# Allegro board BeagleBone_Green_Wireless_V1.0.brd (continued)
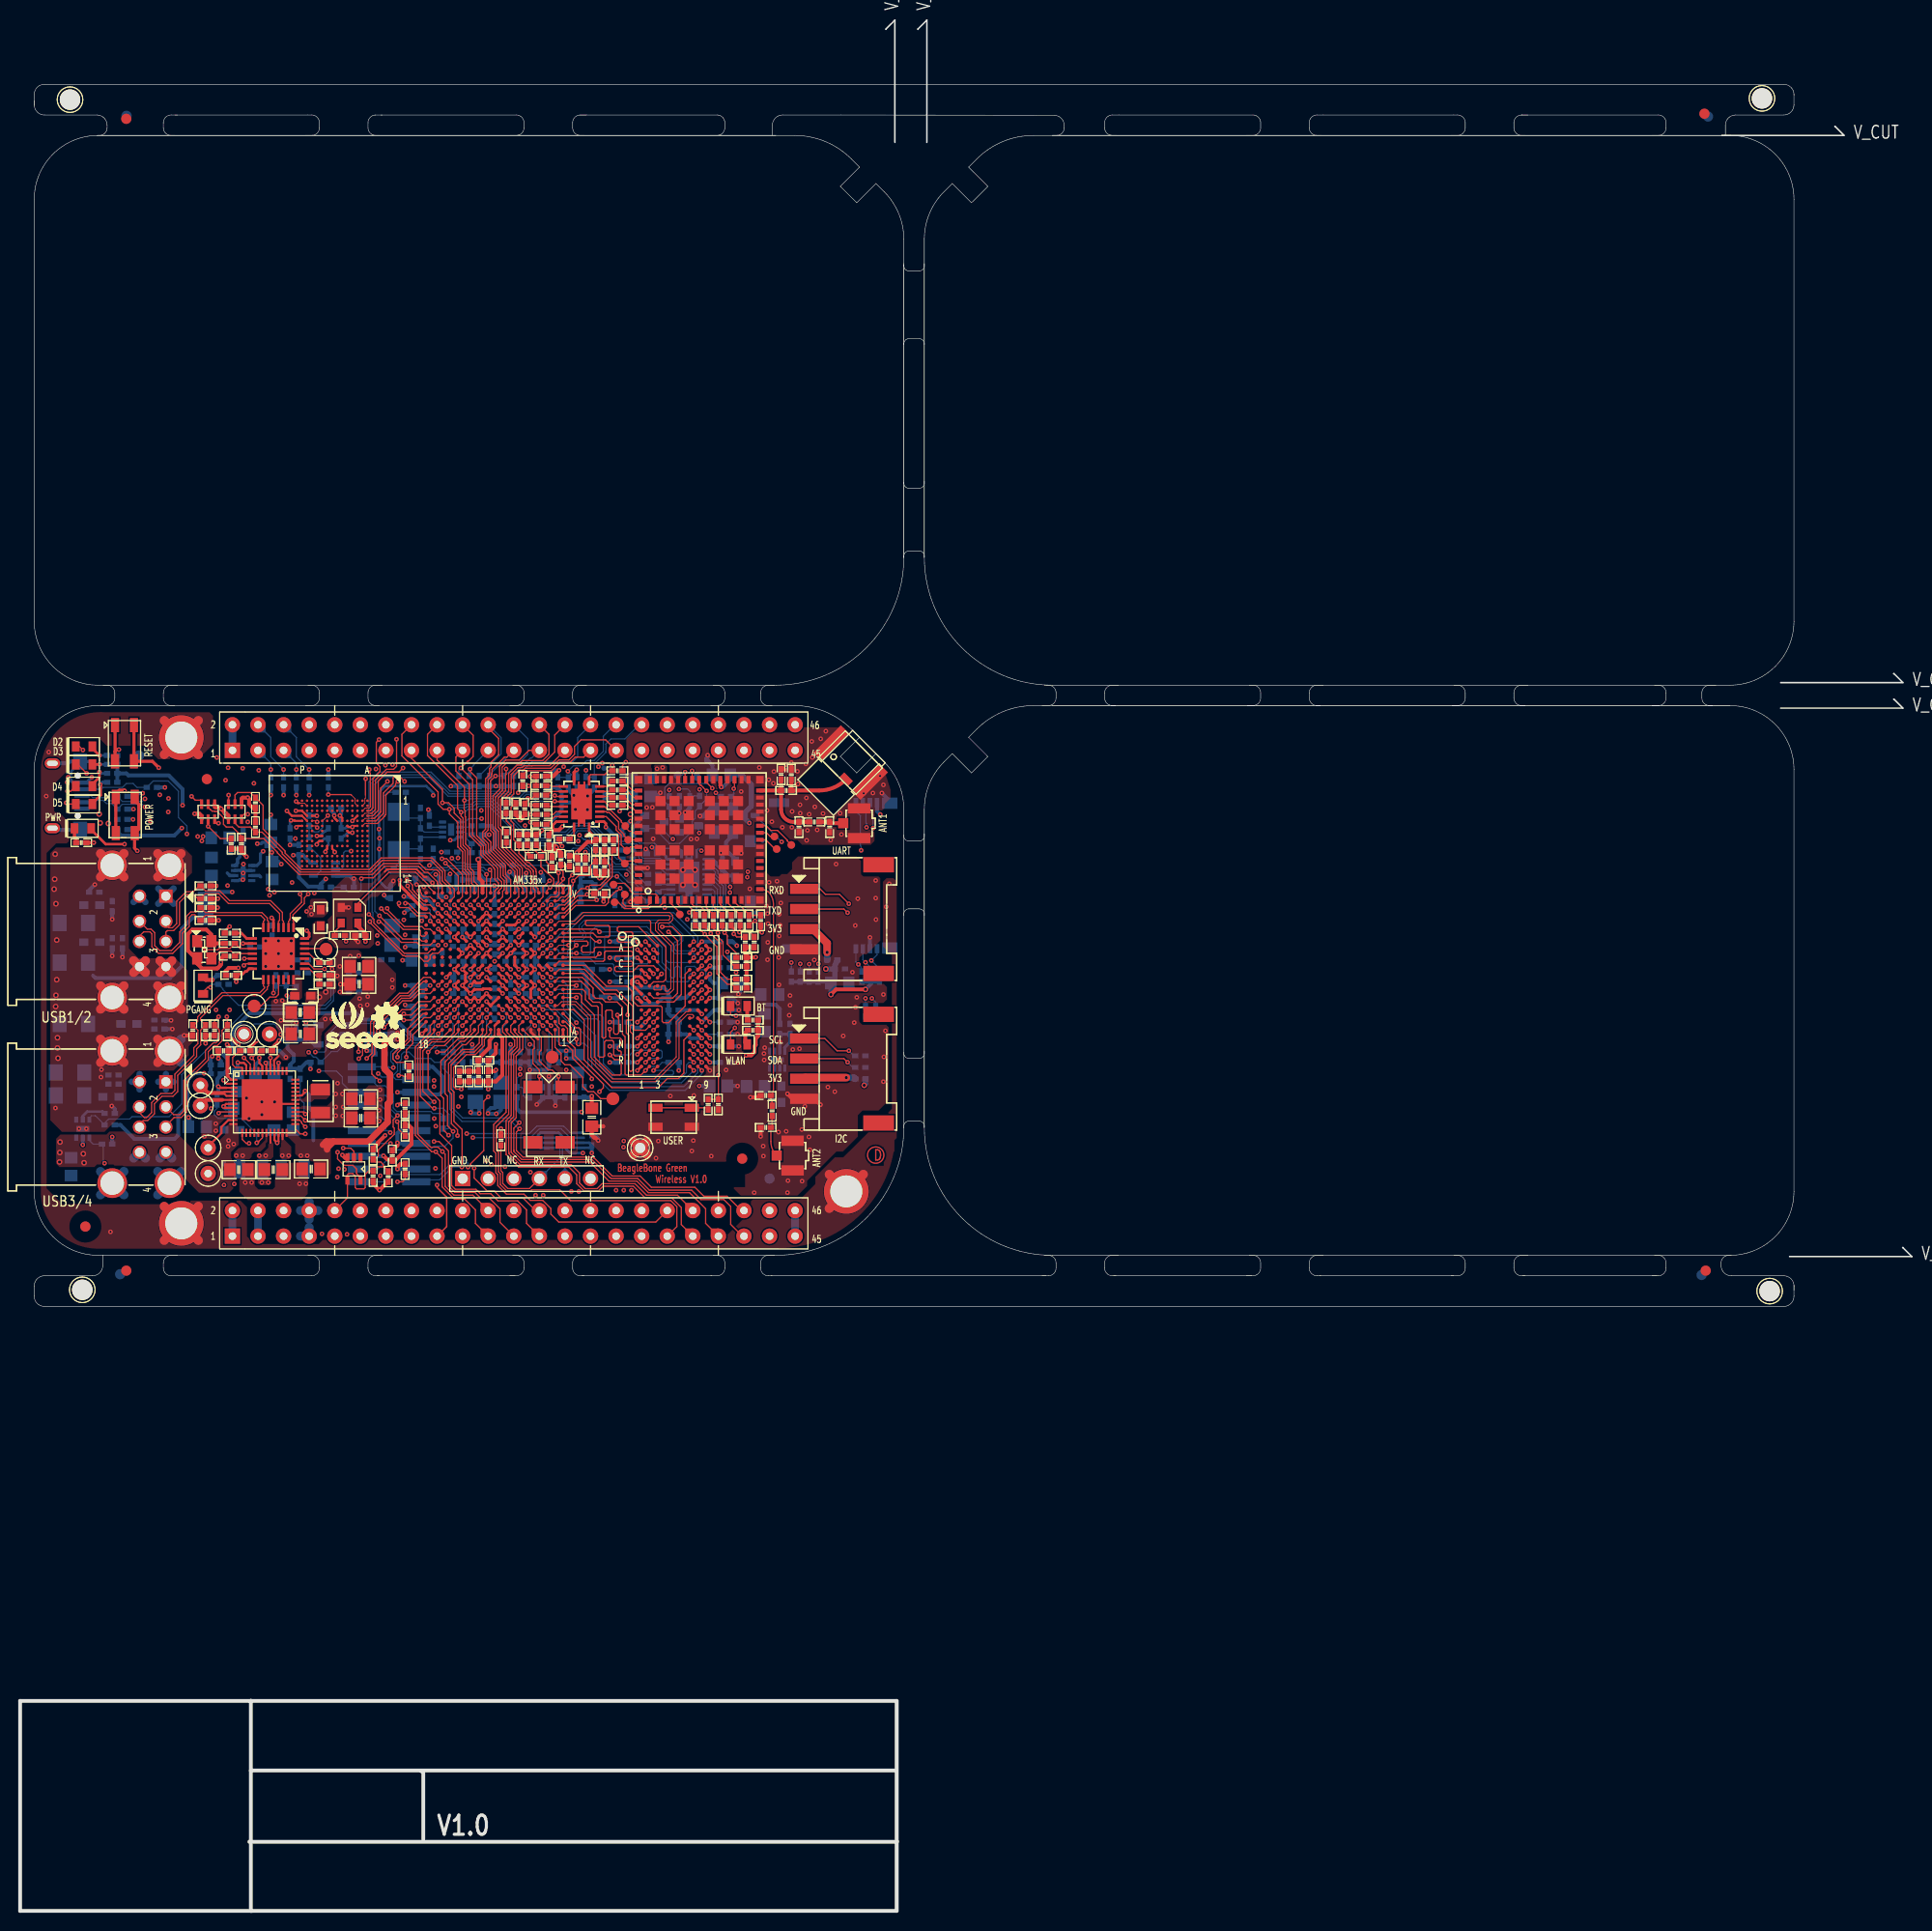
[diagram p0: board, top side]
## Placement (name value [footprint] x y rotation side) (continued)
R180  33R,5%  [402]  68.83 98.4 90 top
R181  33R,5%  [402]  67.06 98.4 90 top
R182  33R,5%  [402]  67.95 98.4 90 top
R183  33R,5%  [402]  59.31 112.24 0 top
R184  33R,5%  [402]  59.31 111.35 0 top
R185  33R,5%  [402]  59.31 110.59 0 top
R186  33R,5%  [402]  59.31 109.83 0 top
R187  33R,5%  [402]  64.47 110.21 90 bottom
R188  33R,5%  [402]  67.46 110.26 90 bottom
R189  100K  [402]  65.48 110.21 270 bottom
R190  100K  [402]  66.5 110.24 270 bottom
R191  10K,1%  [402]  72.9 96.24 90 top
R192  10K,1%  [402]  72.01 96.24 90 top
R193  10K,1%  [402]  71.63 94.72 180 top
R194  10K,1%  [402]  71.63 93.83 180 top
R195  DNP  [402]  71.63 92.56 180 top
R196  10K,1%  [402]  71.63 91.67 180 top
R197  1.5K,1%  [402]  67.31 98.53 270 bottom
R198  33R,5%  [402]  59.31 113.26 180 top
R199  33R,5%  [402]  51.74 110.85 0 top
R200  33R,5%  [402]  51.74 111.79 0 top
R203  33R,5%  [402]  60.32 105.38 0 bottom
R204  33R,5%  [402]  60.32 104.5 0 bottom
R205  33R,5%  [402]  62.87 102.97 0 bottom
R206  33R,5%  [402]  62.87 102.08 0 bottom
R207  33R,5%  [402]  62.87 101.19 0 bottom
R208  33R,5%  [402]  62.87 100.3 0 bottom
R209  1.5K,1%  [402]  50.11 109.47 270 top
R210  1.5K,1%  [402]  51.74 112.73 0 top
R213  DNP  [402]  70.1 110.72 0 bottom
R214  240K,1%  [402]  75.44 87.6 270 bottom
R215  120K  [402]  76.45 87.6 90 bottom
R216  240K,1%  [402]  21.31 105.13 0 bottom
R217  52.3k  [402]  22.15 106.81 90 bottom
R218  680R,1%  [402]  20.83 97.13 180 top
R219  680R,1%  [402]  20.19 92.94 180 bottom
R220  100K,1%  [402]  20.19 92.05 180 bottom
R221  10K,1%  [402]  8.64 76.17 180 bottom
R222  15K,1%  [402]  8.89 79.22 180 bottom
R223  10K,1%  [402]  8.89 78.08 0 bottom
R224  0R,1%  [402]  30.23 94.21 0 top
R225  10K,1%  [402]  30.23 92.05 0 top
R226  DNP  [402]  30.23 92.94 180 top
R227  10K,1%  [402]  27.43 91.29 270 bottom
R228  47k,1%  [402]  26.42 92.43 270 bottom
R229  680R,1%  [402]  72.77 88.49 180 top
R230  680R,1%  [402]  72.77 87.48 180 top
R231  0R,1%  [402]  83.44 82.65 0 bottom
R232  0R,1%  [402]  80.65 94.46 0 bottom
R233  DNP  [402]  73.53 98.4 90 top
R234  0R,1%  [402]  37.62 103.61 180 bottom
R235  0R,1%  [402]  37.8 111.12 0 bottom
R236  33R,5%  [402]  51.77 109.83 0 top
R237  33R,5%  [402]  51.79 108.92 0 top
R238  33R,5%  [402]  51.77 107.95 0 top
R239  33R,5%  [402]  54.05 106.48 0 top
S1  SMD Button Top  [SW_4P]  10.36 116 270 top
S2  SMD Button Top  [SW_4P]  64.9 78.84 180 top
S3  SMD Button Top  [SW_4P]  10.44 108.86 270 top
TP1  TESTPT1  [TP1-8040]  61.57 75.79 0 top
TP2  TESTPT1  [TP60C_SMD]  58.86 80.68 0 top
TP3  TESTPT1  [TP60C_SMD]  52.83 84.81 0 top
TP4  TESTPT1  [TP1-8040]  22.22 87.1 0 top
TP5  TESTPT1  [TP60C33D]  17.91 82.02 0 top
TP6  TESTPT1  [TP60C33D]  17.91 79.98 0 top
TP7  TESTPT1  [TP60C33D]  18.67 75.79 0 top
TP8  TESTPT1  [TP60C33D]  18.67 73.25 0 top
TP9  TESTPT1  [TP60C33D]  24.76 87.1 0 top
TP10  BT_AUD_IN  [TP30C_SMD]  60.1 107.77 0 top
TP11  BT_AUD_OUT  [TP30C_SMD]  60.38 106.4 0 top
TP12  BT_AUD_FSYNC  [TP30C_SMD]  60.25 105.33 0 top
TP13  BT_AUD_CLK  [TP30C_SMD]  60.05 104.04 0 top
TP14  WL_TX  [TP30C_SMD]  76.58 105.89 0 top
TP15  WL_RX  [TP30C_SMD]  74.9 106.73 0 top
TP16  GPIO_4  [TP30C_SMD]  75.13 105.49 0 top
TP17  GPIO11  [TP30C_SMD]  60.05 100.97 0 top
TP18  GPIO9  [TP30C_SMD]  58.93 101.96 0 top
TP19  GPIO10  [TP30C_SMD]  59.03 100.2 0 top
TP20  GPIO12  [TP30C_SMD]  65.51 98.98 0 top
TP22  BT_UART_DBG  [TP30C_SMD]  65.28 112.83 180 bottom
TP23  WL_UART_DBG  [TP30C_SMD]  67.23 112.62 180 bottom
TP24  HUB_SDA  [TP60C_SMD]  30.38 95.53 0 top
TP25  HUB_SCL  [TP60C_SMD]  23.24 89.89 0 top
U2  TPS65217C  [U_48_RSL]  24.26 80.37 0 top
U3  SN74LVC1G06DCK  [DCK5_2P15X1P4]  30.23 103.48 270 bottom
U5  AM3358BZCZ100  [AM33XX_15X15]  47.12 94.34 180 top
U7  24LC32A  [SOT23-5]  30.92 87.03 270 bottom
U12  MT41K256M16TW-107:P  [BGA96_T9_P8_9X14]  64.9 89.89 0 top
U13  MEM_MNAND_4GB  [BGA153_P14_P5_11P5X13]  31.24 107.04 270 top
U15  SN74LVC2G241  [U_8_DCU]  53.98 76.56 90 bottom
U16  SN74LVC1G07DCK  [DCK5_2P15X1P4]  33.15 73.71 180 top
U17  SSDCI3128AF,DNP  [TDFN8_P5_2P0]  42.8 107.42 90 bottom
U18  WL1835MODGB  [E-13_4X13_3-N100_0_75-TOP]  67.44 106.4 0 top
U19  ETA3410  [DFN2X2-8L]  75.18 84.56 0 bottom
U20  ETA3410  [DFN2X2-8L]  22.15 103.1 90 bottom
U21  TXS0108E  [VQFN-20]  55.75 109.96 90 top
U22  TXS0108E  [VQFN-20]  66.42 102.72 270 bottom
U23  GL852G-QFN28  [QFN-28]  25.65 95.1 270 top
U24  ETA6020D  [DFN2X2-6L]  6.22 77.7 270 bottom
Y1  32.768KHz MC-306  [XTAL4_126-216SMD]  52.51 79.1 270 top
Y2  24MHz  [XTAL150SMD_125X196]  37.59 107.29 270 bottom
Y4  24.576MHZ  [OSC4_61X65LS_79X98SMD]  32.72 98.91 180 top
Y5  12MHz  [OSC4-SMD-2_5X2_0X0_55MM]  18.29 95.48 270 top

## Library data of the parts
ANT = ACA-2012-A1-CC-S
C1 C2 C4 C7-C15 C39 C40 C55 C62 C77 C95 C96 C118 C122 C126 C153 C168-C170 C177-C180 = CAP_10uF_Y5V_10V_10%_0805
C3 C28-C31 C33 C36-C38 C41-C54 C56-C61 C63-C76 C78-C88 C92-C94 C97-C103 C105 C107-C117 C119-C121 C124 C127-C130 C152 C154 C155 C158 C159 C167 C171-C176 C181-C200 C202-C205 = CAP_0.1uF_X5R_6.3V_20% 0201
C16 C18 C125 = CAP_2.2uF_X5R_6.3V_10%_0402
C21 C22 C25 C26 = CAP_18PF_COG_50V_5%_0402
C24 C89-C91 C104 C106 = CAP_1.0UF_X5R_10V_10%_0402
C32 C123 = CAP_0.001_X7R_50V_5%_0402
D1-D8 = LED_LTST-C150GKT_0
D9-D24 = DIODE TVS BI-DIR
FB1-FB3 FB8 = FER_180_200_0
J1 = HEADER 6: User Part Number: ***
J4 J5 = HEADER 4
J6 J7 = Micro RF Coax 3P
J8 J9 = ST-USB-201C
L1-L3 = IND_2.2uH_2.6A_10%_SMD
L4 L7-L22 = INDUCTOR
MTG1 MTG3 MTG4 = MHOLE
OSC1 = Crystal Oscillator
P2 = HDR_10x2_CJTAG_0
P4 = MINI-USB-AB-SOCKET
P8 P9 = HDR_46_F_2_0.1_0.1
P10 = microSD_CONN_8: User Part Number: X; Tolerance: X
Q1 Q2 = RN1907
Q3 Q4 = MOSFET N GSD: User Part Number: *
R1 R55-R70 R75-R95 R165 = RES_100K_1/16W_1%_0402
R3 R4 R168 = RES_1.5K_1/16W_5%_0402
R5-R9 R23-R26 R50 R51 R159-R164 R169 R170 = RES_4.75K_1/16W_1%_0402
R12 R71-R74 R171-R175 = RES_470_1/10W_5%_0402
R14 = RES_10K_1/16W_1%_0402: signal model: 33OHMRESISTOR1_16W5_0402_SM_735_33
R17 = RES_1M_1/16W_1%_0402: signal model: 33OHMRESISTOR1_16W5_0402_SM_735_33
R18 R47 = RES_33_0402: signal model: 33OHMRESISTOR1_16W5_0402_SM_735_33
R19 R27 R29 R30 R156 R234 R235 = RES_0_1/16W_1%_0402
R20 = RES_0_1/16W_1%_0402: signal model: 33OHMRESISTOR1_16W5_0402_SM_735_33
R22 = RES_4.7K_0402
R45 R46 R48 R167 = RES_33_0402
R49 = RES_100K_1/16W_1%_0402: signal model: 33OHMRESISTOR1_16W5_0402_SM_735_33
R54 R96-R111 R150-R155 R157 R176-R200 R203-R210 R213-R233 R236-R239 = RES_10K_1/16W_1%_0402
S1 S3 = SW_KT11P2JM_2
S2 = SW_KT11P2JM_1
TP1-TP20 TP22-TP25 = TESTPT1
U2 = PWR_TPS65217_2
U3 = IC_SN74LVC1G06DCK_0
U5 = IC_AM335X_ZCZ
U7 = MEM_24LC32_SOT23-5
U12 = MT47H256M8_7
U13 = MEM_MNAND_2GB
U15 = IC_SN74LVC2G241_1
U16 = IC_SN74LVC1G07DCK
U17 = SSDCI3128AF
U18 = WL1835MODGB
U19 U20 = ETA3410_0
U21 U22 = TXS0108E_0
U23 = GL852G-QFN28
U24 = ETA6020D
Y1 = CRYS_32_768KHz_SMD32_1
Y2 = CRYS_24MHz_SCC_0
Y4 = OSC_12MHz_1.3V: Tolerance: TOL*; User Part Number: P/N*
Y5 = CRYSTAL4/SM

## Footprints (pads in the part's own frame, mm; a bottom-side part is the same pattern mirrored in y, then rotated)
4P-SMD-2_0-90D
  rect 1.524x3.048 smd: (-5.4,7.4) (5.4,7.4)
  rect 1.016x2.794 smd: 1(-3,0) 2(-1,0) 3(1,0) 4(3,0)
5P-USB-B
  round 0.61 hole 0.61 unplated: (-2,-0.65) (2,-0.65)
  rect 0.406x1.524 smd: 1(-1.3,-0.25) 2(-0.65,-0.25) 3(0,-0.25) 4(0.65,-0.25) 5(1.3,-0.25)
  rect 1.626x1.397 smd: 6(3.4,-0.427) 7(-3.4,-0.427)
  oval 1.016x1.524 hole 0.508x1.067: 8(-3.22,-3.175) 9(3.22,-3.175)
0402
  rect 0.635x0.508 smd: 1(-0.508,0) 2(0.508,0)
402
  rect 0.635x0.508 smd: 1(-0.508,0) 2(0.508,0)
603
  rect 0.914x0.762 smd: 1(-0.8,0) 2(0.8,0)
805
  rect 1.143x1.27 smd: 1(-0.889,0) 2(0.889,0)
1206
  rect 1.397x1.626 smd: 1(-1.41,0) 2(1.41,0)
2520
  rect 1.143x1.905 smd: 1(-1.143,0) 2(1.143,0)
ACA5036
  rect 0.762x1.219 smd: 1(1.525,0.85)
  rect 3.861x1.168 smd: 2(0,2.725) 3(0,-2.725)
AM33XX_15X15
  round 0.356 smd: A1(-6.8,6.8) A2(-6,6.8) A3(-5.2,6.8) A4(-4.4,6.8) A5(-3.6,6.8) A6(-2.8,6.8) A7(-2,6.8) A8(-1.2,6.8) A9(-0.4,6.8) A10(0.4,6.8) A11(1.2,6.8) A12(2,6.8) A13(2.8,6.8) A14(3.6,6.8) A15(4.4,6.8) A16(5.2,6.8) A17(6,6.8) A18(6.8,6.8) B1(-6.8,6) B2(-6,6) B3(-5.2,6) B4(-4.4,6) B5(-3.6,6) B6(-2.8,6) B7(-2,6) B8(-1.2,6) B9(-0.4,6) B10(0.4,6) B11(1.2,6) B12(2,6) B13(2.8,6) B14(3.6,6) B15(4.4,6) B16(5.2,6) B17(6,6) B18(6.8,6) C1(-6.8,5.2) C2(-6,5.2) C3(-5.2,5.2) C4(-4.4,5.2) C5(-3.6,5.2) C6(-2.8,5.2) C7(-2,5.2) C8(-1.2,5.2) C9(-0.4,5.2) C10(0.4,5.2) C11(1.2,5.2) C12(2,5.2) C13(2.8,5.2) C14(3.6,5.2) C15(4.4,5.2) C16(5.2,5.2) C17(6,5.2) C18(6.8,5.2) D1(-6.8,4.4) D2(-6,4.4) D3(-5.2,4.4) D4(-4.4,4.4) D5(-3.6,4.4) D6(-2.8,4.4) D7(-2,4.4) D8(-1.2,4.4) D9(-0.4,4.4) D10(0.4,4.4) D11(1.2,4.4) D12(2,4.4) D13(2.8,4.4) D14(3.6,4.4) D15(4.4,4.4) D16(5.2,4.4) D17(6,4.4) D18(6.8,4.4) E1(-6.8,3.6) E2(-6,3.6) E3(-5.2,3.6) E4(-4.4,3.6) E5(-3.6,3.6) E6(-2.8,3.6) E7(-2,3.6) E8(-1.2,3.6) E9(-0.4,3.6) E10(0.4,3.6) E11(1.2,3.6) E12(2,3.6) E13(2.8,3.6) E14(3.6,3.6) E15(4.4,3.6) E16(5.2,3.6) E17(6,3.6) E18(6.8,3.6) F1(-6.8,2.8) F2(-6,2.8) F3(-5.2,2.8) F4(-4.4,2.8) F5(-3.6,2.8) F6(-2.8,2.8) F7(-2,2.8) F8(-1.2,2.8) F9(-0.4,2.8) F10(0.4,2.8) F11(1.2,2.8) F12(2,2.8) F13(2.8,2.8) F14(3.6,2.8) F15(4.4,2.8) F16(5.2,2.8) F17(6,2.8) F18(6.8,2.8) G1(-6.8,2) G2(-6,2) G3(-5.2,2) G4(-4.4,2) G5(-3.6,2) G6(-2.8,2) G7(-2,2) G8(-1.2,2) G9(-0.4,2) G10(0.4,2) G11(1.2,2) G12(2,2) G13(2.8,2) G14(3.6,2) G15(4.4,2) G16(5.2,2) G17(6,2) G18(6.8,2) H1(-6.8,1.2) H2(-6,1.2) H3(-5.2,1.2) H4(-4.4,1.2) H5(-3.6,1.2) H6(-2.8,1.2) H7(-2,1.2) H8(-1.2,1.2) H9(-0.4,1.2) H10(0.4,1.2) H11(1.2,1.2) H12(2,1.2) H13(2.8,1.2) H14(3.6,1.2) H15(4.4,1.2) H16(5.2,1.2) H17(6,1.2) H18(6.8,1.2) J1(-6.8,0.4) J2(-6,0.4) J3(-5.2,0.4) J4(-4.4,0.4) J5(-3.6,0.4) J6(-2.8,0.4) J7(-2,0.4) J8(-1.2,0.4) J9(-0.4,0.4) J10(0.4,0.4) J11(1.2,0.4) J12(2,0.4) J13(2.8,0.4) J14(3.6,0.4) J15(4.4,0.4) J16(5.2,0.4) J17(6,0.4) J18(6.8,0.4) K1(-6.8,-0.4) K2(-6,-0.4) K3(-5.2,-0.4) K4(-4.4,-0.4) K5(-3.6,-0.4) K6(-2.8,-0.4) K7(-2,-0.4) K8(-1.2,-0.4) K9(-0.4,-0.4) K10(0.4,-0.4) K11(1.2,-0.4) K12(2,-0.4) K13(2.8,-0.4) K14(3.6,-0.4) K15(4.4,-0.4) K16(5.2,-0.4) K17(6,-0.4) K18(6.8,-0.4) L1(-6.8,-1.2) L2(-6,-1.2) L3(-5.2,-1.2) L4(-4.4,-1.2) L5(-3.6,-1.2) L6(-2.8,-1.2) L7(-2,-1.2) L8(-1.2,-1.2) L9(-0.4,-1.2) L10(0.4,-1.2) L11(1.2,-1.2) L12(2,-1.2) L13(2.8,-1.2) L14(3.6,-1.2) L15(4.4,-1.2) L16(5.2,-1.2) L17(6,-1.2) L18(6.8,-1.2) M1(-6.8,-2) M2(-6,-2) M3(-5.2,-2) M4(-4.4,-2) M5(-3.6,-2) M6(-2.8,-2) M7(-2,-2) M8(-1.2,-2) M9(-0.4,-2) M10(0.4,-2) M11(1.2,-2) M12(2,-2) M13(2.8,-2) M14(3.6,-2) M15(4.4,-2) M16(5.2,-2) M17(6,-2) M18(6.8,-2) N1(-6.8,-2.8) N2(-6,-2.8) N3(-5.2,-2.8) N4(-4.4,-2.8) N5(-3.6,-2.8) N6(-2.8,-2.8) N7(-2,-2.8) N8(-1.2,-2.8) N9(-0.4,-2.8) N10(0.4,-2.8) N11(1.2,-2.8) N12(2,-2.8) N13(2.8,-2.8) N14(3.6,-2.8) N15(4.4,-2.8) N16(5.2,-2.8) N17(6,-2.8) N18(6.8,-2.8) P1(-6.8,-3.6) P2(-6,-3.6) P3(-5.2,-3.6) P4(-4.4,-3.6) P5(-3.6,-3.6) P6(-2.8,-3.6) P7(-2,-3.6) P8(-1.2,-3.6) P9(-0.4,-3.6) P10(0.4,-3.6) P11(1.2,-3.6) P12(2,-3.6) P13(2.8,-3.6) P14(3.6,-3.6) P15(4.4,-3.6) P16(5.2,-3.6) P17(6,-3.6) P18(6.8,-3.6) R1(-6.8,-4.4) R2(-6,-4.4) R3(-5.2,-4.4) R4(-4.4,-4.4) R5(-3.6,-4.4) R6(-2.8,-4.4) R7(-2,-4.4) R8(-1.2,-4.4) R9(-0.4,-4.4) R10(0.4,-4.4) R11(1.2,-4.4) R12(2,-4.4) R13(2.8,-4.4) R14(3.6,-4.4) R15(4.4,-4.4) R16(5.2,-4.4) R17(6,-4.4) R18(6.8,-4.4) T1(-6.8,-5.2) T2(-6,-5.2) T3(-5.2,-5.2) T4(-4.4,-5.2) T5(-3.6,-5.2) T6(-2.8,-5.2) T7(-2,-5.2) T8(-1.2,-5.2) T9(-0.4,-5.2) T10(0.4,-5.2) T11(1.2,-5.2) T12(2,-5.2) T13(2.8,-5.2) T14(3.6,-5.2) T15(4.4,-5.2) T16(5.2,-5.2) T17(6,-5.2) T18(6.8,-5.2) U1(-6.8,-6) U2(-6,-6) U3(-5.2,-6) U4(-4.4,-6) U5(-3.6,-6) U6(-2.8,-6) U7(-2,-6) U8(-1.2,-6) U9(-0.4,-6) U10(0.4,-6) U11(1.2,-6) U12(2,-6) U13(2.8,-6) U14(3.6,-6) U15(4.4,-6) U16(5.2,-6) U17(6,-6) U18(6.8,-6) V1(-6.8,-6.8) V2(-6,-6.8) V3(-5.2,-6.8) V4(-4.4,-6.8) V5(-3.6,-6.8) V6(-2.8,-6.8) V7(-2,-6.8) V8(-1.2,-6.8) V9(-0.4,-6.8) V10(0.4,-6.8) V11(1.2,-6.8) V12(2,-6.8) V13(2.8,-6.8) V14(3.6,-6.8) V15(4.4,-6.8) V16(5.2,-6.8) V17(6,-6.8) V18(6.8,-6.8)
BGA96_T9_P8_9X14
  round 0.356 smd: A1(-3.2,6.001) A2(-2.4,6.001) A3(-1.6,6.001) A7(1.6,6.001) A8(2.4,6.001) A9(3.2,6.001) B1(-3.2,5.201) B2(-2.4,5.201) B3(-1.6,5.201) B7(1.6,5.201) B8(2.4,5.201) B9(3.2,5.201) C1(-3.2,4.401) C2(-2.4,4.401) C3(-1.6,4.401) C7(1.6,4.401) C8(2.4,4.401) C9(3.2,4.401) D1(-3.2,3.6) D2(-2.4,3.6) D3(-1.6,3.6) D7(1.6,3.6) D8(2.4,3.6) D9(3.2,3.6) E1(-3.2,2.8) E2(-2.4,2.8) E3(-1.6,2.8) E7(1.6,2.8) E8(2.4,2.8) E9(3.2,2.8) F1(-3.2,2) F2(-2.4,2) F3(-1.6,2) F7(1.6,2) F8(2.4,2) F9(3.2,2) G1(-3.2,1.2) G2(-2.4,1.2) G3(-1.6,1.2) G7(1.6,1.2) G8(2.4,1.2) G9(3.2,1.2) H1(-3.2,0.4) H2(-2.4,0.4) H3(-1.6,0.4) H7(1.6,0.4) H8(2.4,0.4) H9(3.2,0.4) J1(-3.2,-0.4) J2(-2.4,-0.4) J3(-1.6,-0.4) J7(1.6,-0.4) J8(2.4,-0.4) J9(3.2,-0.4) K1(-3.2,-1.2) K2(-2.4,-1.2) K3(-1.6,-1.2) K7(1.6,-1.2) K8(2.4,-1.2) K9(3.2,-1.2) L1(-3.2,-2) L2(-2.4,-2) L3(-1.6,-2) L7(1.6,-2) L8(2.4,-2) L9(3.2,-2) M1(-3.2,-2.8) M2(-2.4,-2.8) M3(-1.6,-2.8) M7(1.6,-2.8) M8(2.4,-2.8) M9(3.2,-2.8) N1(-3.2,-3.6) N2(-2.4,-3.6) N3(-1.6,-3.6) N7(1.6,-3.6) N8(2.4,-3.6) N9(3.2,-3.6) P1(-3.2,-4.401) P2(-2.4,-4.401) P3(-1.6,-4.401) P7(1.6,-4.401) P8(2.4,-4.401) P9(3.2,-4.401) R1(-3.2,-5.201) R2(-2.4,-5.201) R3(-1.6,-5.201) R7(1.6,-5.201) R8(2.4,-5.201) R9(3.2,-5.201) T1(-3.2,-6.001) T2(-2.4,-6.001) T3(-1.6,-6.001) T7(1.6,-6.001) T8(2.4,-6.001) T9(3.2,-6.001)
BGA153_P14_P5_11P5X13
  round 0.254 smd: A1(-3.25,3.25) A2(-2.75,3.25) A3(-2.25,3.25) A4(-1.75,3.25) A5(-1.25,3.25) A6(-0.75,3.25) A7(-0.25,3.25) A8(0.25,3.25) A9(0.75,3.25) A10(1.25,3.25) A11(1.75,3.25) A12(2.25,3.25) A13(2.75,3.25) A14(3.25,3.25) B1(-3.25,2.75) B2(-2.75,2.75) B3(-2.25,2.75) B4(-1.75,2.75) B5(-1.25,2.75) B6(-0.75,2.75) B7(-0.25,2.75) B8(0.25,2.75) B9(0.75,2.75) B10(1.25,2.75) B11(1.75,2.75) B12(2.25,2.75) B13(2.75,2.75) B14(3.25,2.75) C1(-3.25,2.25) C2(-2.75,2.25) C3(-2.25,2.25) C4(-1.75,2.25) C5(-1.25,2.25) C6(-0.75,2.25) C7(-0.25,2.25) C8(0.25,2.25) C9(0.75,2.25) C10(1.25,2.25) C11(1.75,2.25) C12(2.25,2.25) C13(2.75,2.25) C14(3.25,2.25) D1(-3.25,1.75) D2(-2.75,1.75) D3(-2.25,1.75) D4(-1.75,1.75) D12(2.25,1.75) D13(2.75,1.75) D14(3.25,1.75) E1(-3.25,1.25) E2(-2.75,1.25) E3(-2.25,1.25) E5(-1.25,1.25) E6(-0.75,1.25) E7(-0.25,1.25) E8(0.25,1.25) E9(0.75,1.25) E10(1.25,1.25) E12(2.25,1.25) E13(2.75,1.25) E14(3.25,1.25) F1(-3.25,0.75) F2(-2.75,0.75) F3(-2.25,0.75) F5(-1.25,0.75) F10(1.25,0.75) F12(2.25,0.75) F13(2.75,0.75) F14(3.25,0.75) G1(-3.25,0.25) G2(-2.75,0.25) G3(-2.25,0.25) G5(-1.25,0.25) G10(1.25,0.25) G12(2.25,0.25) G13(2.75,0.25) G14(3.25,0.25) H1(-3.25,-0.25) H2(-2.75,-0.25) H3(-2.25,-0.25) H5(-1.25,-0.25) H10(1.25,-0.25) H12(2.25,-0.25) H13(2.75,-0.25) H14(3.25,-0.25) J1(-3.25,-0.75) J2(-2.75,-0.75) J3(-2.25,-0.75) J5(-1.25,-0.75) J10(1.25,-0.75) J12(2.25,-0.75) J13(2.75,-0.75) J14(3.25,-0.75) K1(-3.25,-1.25) K2(-2.75,-1.25) K3(-2.25,-1.25) K5(-1.25,-1.25) K6(-0.75,-1.25) K7(-0.25,-1.25) K8(0.25,-1.25) K9(0.75,-1.25) K10(1.25,-1.25) K12(2.25,-1.25) K13(2.75,-1.25) K14(3.25,-1.25) L1(-3.25,-1.75) L2(-2.75,-1.75) L3(-2.25,-1.75) L12(2.25,-1.75) L13(2.75,-1.75) L14(3.25,-1.75) M1(-3.25,-2.25) M2(-2.75,-2.25) M3(-2.25,-2.25) M4(-1.75,-2.25) M5(-1.25,-2.25) M6(-0.75,-2.25) M7(-0.25,-2.25) M8(0.25,-2.25) M9(0.75,-2.25) M10(1.25,-2.25) M11(1.75,-2.25) M12(2.25,-2.25) M13(2.75,-2.25) M14(3.25,-2.25) N1(-3.25,-2.75) N2(-2.75,-2.75) N3(-2.25,-2.75) N4(-1.75,-2.75) N5(-1.25,-2.75) N6(-0.75,-2.75) N7(-0.25,-2.75) N8(0.25,-2.75) N9(0.75,-2.75) N10(1.25,-2.75) N11(1.75,-2.75) N12(2.25,-2.75) N13(2.75,-2.75) N14(3.25,-2.75) P1(-3.25,-3.25) P2(-2.75,-3.25) P3(-2.25,-3.25) P4(-1.75,-3.25) P5(-1.25,-3.25) P6(-0.75,-3.25) P7(-0.25,-3.25) P8(0.25,-3.25) P9(0.75,-3.25) P10(1.25,-3.25) P11(1.75,-3.25) P12(2.25,-3.25) P13(2.75,-3.25) P14(3.25,-3.25)
DCK5_2P15X1P4
  rect 0.4x0.9 smd: 1(-0.65,-1.1) 2(0,-1.1) 3(0.65,-1.1) 4(0.65,1.1) 5(-0.65,1.1)
DFN2X2-6L
  rect 0.61x0.406 smd: 1(-0.9,0.65) 2(-0.9,0) 3(-0.9,-0.65) 4(0.9,-0.65) 5(0.9,0) 6(0.9,0.65)
  rect 0.61x1.27 smd: 7(0,0)
DFN2X2-8L
  rect 0.305x0.711 smd: 1(-0.75,-0.85) 2(-0.25,-0.85) 3(0.25,-0.85) 4(0.75,-0.85) 5(0.75,0.85) 6(0.25,0.85) 7(-0.25,0.85) 8(-0.75,0.85)
  rect 1.321x0.508 smd: 9(0,0)
E-13_4X13_3-N100_0_75-TOP
  rect 0.75x0.75 smd: 1(-6.025,-5.975) 17(6.025,-5.975) 33(6.025,5.975) 49(-6.025,5.975)
  rect 0.4x0.75 smd: 2(-4.9,-5.975) 3(-4.2,-5.975) 4(-3.5,-5.975) 5(-2.8,-5.975) 6(-2.1,-5.975) 7(-1.4,-5.975) 8(-0.7,-5.975) 9(0,-5.975) 10(0.7,-5.975) 11(1.4,-5.975) 12(2.1,-5.975) 13(2.8,-5.975) 14(3.5,-5.975) 15(4.2,-5.975) 16(4.9,-5.975) 34(4.9,5.975) 35(4.2,5.975) 36(3.5,5.975) 37(2.8,5.975) 38(2.1,5.975) 39(1.4,5.975) 40(0.7,5.975) 41(0,5.975) 42(-0.7,5.975) 43(-1.4,5.975) 44(-2.1,5.975) 45(-2.8,5.975) 46(-3.5,5.975) 47(-4.2,5.975) 48(-4.9,5.975)
  rect 0.75x0.4 smd: 18(6.025,-4.9) 19(6.025,-4.2) 20(6.025,-3.5) 21(6.025,-2.8) 22(6.025,-2.1) 23(6.025,-1.4) 24(6.025,-0.7) 25(6.025,0) 26(6.025,0.7) 27(6.025,1.4) 28(6.025,2.1) 29(6.025,2.8) 30(6.025,3.5) 31(6.025,4.2) 32(6.025,4.9) 50(-6.025,4.9) 51(-6.025,4.2) 52(-6.025,3.5) 53(-6.025,2.8) 54(-6.025,2.1) 55(-6.025,1.4) 56(-6.025,0.7) 57(-6.025,0) 58(-6.025,-0.7) 59(-6.025,-1.4) 60(-6.025,-2.1) 61(-6.025,-2.8) 62(-6.025,-3.5) 63(-6.025,-4.2) 64(-6.025,-4.9)
  rect 1x1 smd: G1(-3.85,-3.85) G2(-2.45,-3.85) G3(-1.05,-3.85) G4(-3.85,-2.45) G5(-2.45,-2.45) G6(-1.05,-2.45) G7(-3.85,-1.05) G8(-2.45,-1.05) G9(-1.05,-1.05) G10(1.05,-3.85) G11(2.45,-3.85) G12(3.85,-3.85) G13(1.05,-2.45) G14(2.45,-2.45) G15(3.85,-2.45) G16(1.05,-1.05) G17(2.45,-1.05) G18(3.85,-1.05) G19(-3.85,1.05) G20(-2.45,1.05) G21(-1.05,1.05) G22(-3.85,2.45) G23(-2.45,2.45) G24(-1.05,2.45) G25(-3.85,3.85) G26(-2.45,3.85) G27(-1.05,3.85) G28(1.05,1.05) G29(2.45,1.05) G30(3.85,1.05) G31(1.05,2.45) G32(2.45,2.45) G33(3.85,2.45) G34(1.05,3.85) G35(2.45,3.85) G36(3.85,3.85)
HEADER10X2_SMD
  rect 0.711x2.794 smd: 1(-5.715,-2.705) 2(-5.715,2.705) 3(-4.445,-2.705) 4(-4.445,2.705) 5(-3.175,-2.705) 6(-3.175,2.705) 7(-1.905,-2.705) 8(-1.905,2.705) 9(-0.635,-2.705) 10(-0.635,2.705) 11(0.635,-2.705) 12(0.635,2.705) 13(1.905,-2.705) 14(1.905,2.705) 15(3.175,-2.705) 16(3.175,2.705) 17(4.445,-2.705) 18(4.445,2.705) 19(5.715,-2.705) 20(5.715,2.705)
HEADER23X2
  rect 1.524x1.524 hole 0.762: 1(0,0)
  round 1.524 hole 0.762: 2(0,2.54) 3(2.54,0) 4(2.54,2.54) 5(5.08,0) 6(5.08,2.54) 7(7.62,0) 8(7.62,2.54) 9(10.16,0) 10(10.16,2.54) 11(12.7,0) 12(12.7,2.54) 13(15.24,0) 14(15.24,2.54) 15(17.78,0) 16(17.78,2.54) 17(20.32,0) 18(20.32,2.54) 19(22.86,0) 20(22.86,2.54) 21(25.4,0) 22(25.4,2.54) 23(27.94,0) 24(27.94,2.54) 25(30.48,0) 26(30.48,2.54) 27(33.02,0) 28(33.02,2.54) 29(35.56,0) 30(35.56,2.54) 31(38.1,0) 32(38.1,2.54) 33(40.64,0) 34(40.64,2.54) 35(43.18,0) 36(43.18,2.54) 37(45.72,0) 38(45.72,2.54) 39(48.26,0) 40(48.26,2.54) 41(50.8,0) 42(50.8,2.54) 43(53.34,0) 44(53.34,2.54) 45(55.88,0) 46(55.88,2.54)
LED_0603
  rect 0.762x1.016 smd: 1(-0.826,0) 2(0.826,0)
MTGH200C125D_PL
  round 4.445 hole 3.175: 1(0,0)
OSC4-SMD-2_5X2_0X0_55MM
  rect 1.219x1.016 smd: 1(-0.85,-0.7) 2(0.85,-0.7) 3(0.85,0.7) 4(-0.85,0.7)
OSC4_61X65LS_79X98SMD
  rect 0.711x0.889 smd: 1(-0.826,-0.775) 2(0.826,-0.775) 3(0.826,0.775) 4(-0.826,0.775)
QFN-28
  rect 0.914x0.254 smd: 1(-2.591,1.5) 2(-2.591,1) 3(-2.591,0.5) 4(-2.591,0) 5(-2.591,-0.5) 6(-2.591,-1) 7(-2.591,-1.5) 15(2.591,-1.5) 16(2.591,-1) 17(2.591,-0.5) 18(2.591,0) 19(2.591,0.5) 20(2.591,1) 21(2.591,1.5)
  rect 0.254x0.914 smd: 8(-1.5,-2.591) 9(-1,-2.591) 10(-0.5,-2.591) 11(0,-2.591) 12(0.5,-2.591) 13(1,-2.591) 14(1.5,-2.591) 22(1.5,2.591) 23(1,2.591) 24(0.5,2.591) 25(0,2.591) 26(-0.5,2.591) 27(-1,2.591) 28(-1.5,2.591)
  rect 3.251x3.251 smd: 29(0,0)
SD-MICRO-SCHA5B0300
  rect 0.914x0.457 smd: 1(-7.257,0) 2(-7.257,-0.7) 3(-7.257,-1.4) 4(-7.257,-2.1) 5(7.257,-2.1) 6(7.257,-1.4) 7(7.257,-0.7) 8(7.257,0)
  rect 0.508x0.889 smd: 9(3.775,9.989) 10(-5.975,9.989)
  rect 0.889x2.007 smd: 11(-7.25,7.635) 12(7.25,6.335)
  rect 1.118x1.524 smd: 13(-7.196,-3.365) 14(7.196,-3.365)
  rect 1.194x1.092 smd: 15(-3.425,10.488) 16(2.575,10.488)
SIP6
  rect 1.524x1.524 hole 1.016: 1(0,0)
  round 1.524 hole 1.016: 2(0,-2.54) 3(0,-5.08) 4(0,-7.62) 5(0,-10.16) 6(0,-12.7)
SM-7351-IND-0805
  rect 1.397x1.549 smd: 1(-0.95,0) 2(0.95,0)
SMINI6-F3-B
  rect 0.305x0.95 smd: 1(0.65,0.75) 2(0,0.75) 3(-0.65,0.75) 4(-0.65,-0.75) 5(0,-0.75) 6(0.65,-0.75)
SOT23-5
  rect 0.635x1.016 smd: 1(-0.953,-1.295) 2(0,-1.295) 3(0.953,-1.295) 4(0.953,1.295) 5(-0.953,1.295)
SOT-323-3
  rect 0.7x0.9 smd: 1(-0.65,-0.95) 2(0.65,-0.95) 3(0,0.95)
ST-USB-201C
  rect 1.321x1.321 hole 0.914: A1(3.5,-5.33)
  round 1.321 hole 0.914: A2(1,-5.33) A3(-1,-5.33) A4(-3.5,-5.33) B1(3.5,-2.71) B2(1,-2.71) B3(-1,-2.71) B4(-3.5,-2.71)
  round 2.946 hole 2.337: S1(6.57,-5.68) S2(-6.57,-5.68) S3(-6.57,0) S4(6.57,0)
SW_4P
  rect 1.422x0.813 smd: 1(-1.8,-0.94) 2(-1.8,0.94) 3(1.8,-0.94) 4(1.8,0.94)
TDFN8_P5_2P0
  rect 1.219x0.61 smd: (0,0)
  rect 0.305x0.711 smd: 1(-0.75,-0.85) 2(-0.25,-0.85) 3(0.25,-0.85) 4(0.75,-0.85) 5(0.75,0.85) 6(0.25,0.85) 7(-0.25,0.85) 8(-0.75,0.85)
TP1-8040
  round 1.524 hole 1.016: 1(0,0)
TP30C_SMD
  round 0.762 smd: 1(0,0)
TP60C33D
  round 1.524 hole 0.762: 1(0,0)
TP60C_SMD
  round 1.27 smd: 1(0,0)
U-FL3P-SMD-2_6X2_6X1_0MM
  rect 1.016x1.016 smd: 1(1.575,0)
  rect 2.235x1.016 smd: 2(0,1.475) 3(0,-1.475)
U_8_DCU
  rect 0.254x1.27 smd: 1(-0.749,-1.473) 2(-0.249,-1.473) 3(0.249,-1.473) 4(0.749,-1.473) 5(0.749,1.473) 6(0.249,1.473) 7(-0.249,1.473) 8(-0.749,1.473)
U_48_RSL
  rect 0.8x0.2 smd: 1(-3.075,2.2) 2(-3.075,1.8) 3(-3.075,1.4) 4(-3.075,1) 5(-3.075,0.6) 6(-3.075,0.2) 7(-3.075,-0.2) 8(-3.075,-0.6) 9(-3.075,-1) 10(-3.075,-1.4) 11(-3.075,-1.8) 12(-3.075,-2.2) 25(3.075,-2.2) 26(3.075,-1.8) 27(3.075,-1.4) 28(3.075,-1) 29(3.075,-0.6) 30(3.075,-0.2) 31(3.075,0.2) 32(3.075,0.6) 33(3.075,1) 34(3.075,1.4) 35(3.075,1.8) 36(3.075,2.2)
  rect 0.2x0.8 smd: 13(-2.2,-3.075) 14(-1.8,-3.075) 15(-1.4,-3.075) 16(-1,-3.075) 17(-0.6,-3.075) 18(-0.2,-3.075) 19(0.2,-3.075) 20(0.6,-3.075) 21(1,-3.075) 22(1.4,-3.075) 23(1.8,-3.075) 24(2.2,-3.075) 37(2.2,3.075) 38(1.8,3.075) 39(1.4,3.075) 40(1,3.075) 41(0.6,3.075) 42(0.2,3.075) 43(-0.2,3.075) 44(-0.6,3.075) 45(-1,3.075) 46(-1.4,3.075) 47(-1.8,3.075) 48(-2.2,3.075)
  rect 4.05x4.05 smd: 49(-0.225,0.225)
unnamed
  round 2.032 hole 2.032 unplated: (0,0)
unnamed#3
  round 1.016 smd: 1(0,0)
VQFN-20
  rect 0.914x0.254 smd: 1(-2.3,-0.75) 10(2.3,-0.75) 11(2.3,0.75) 20(-2.3,0.75)
  rect 0.254x0.914 smd: 2(-1.75,-1.8) 3(-1.25,-1.8) 4(-0.75,-1.8) 5(-0.25,-1.8) 6(0.25,-1.8) 7(0.75,-1.8) 8(1.25,-1.8) 9(1.75,-1.8) 12(1.75,1.8) 13(1.25,1.8) 14(0.75,1.8) 15(0.25,1.8) 16(-0.25,1.8) 17(-0.75,1.8) 18(-1.25,1.8) 19(-1.75,1.8)
  custom 4.5x2.05 smd: 21(0,0)
X4-SMD-3_2X2_5X1_0MM
  rect 1.321x1.067 smd: 1(-1.15,-0.925) 2(1.15,-0.925) 3(1.15,0.925) 4(-1.15,0.925)
XTAL4_126-216SMD
  rect 1.27x1.905 smd: 1(-2.748,-1.6) 2(2.751,-1.6) 3(2.751,1.6) 4(-2.748,1.6)
XTAL150SMD_125X196
  rect 1.778x2.159 smd: 1(-1.9,0) 2(1.9,0)

## Nets
DGND: ANT.2(GND#2) ANT.3(GND#3) C1.1 C2.1 C3.1 C4.1 C7.1 C8.1 C9.1 C10.1 C11.1 C12.1 C13.1 C14.1 C15.1 C16.2 C18.2 C24.2 C28.2 C29.2 C30.2 C36.2 C37.2 C38.2 C39.1 C40.1 C41.2 C42.2 C43.2 C44.2 C45.2 C46.2 C47.2 C48.2 C49.2 C50.2 C51.2 C52.2 C53.2 C54.2 C55.1 C56.1 C57.1 C58.2 C59.2 C60.1 C61.1 C62.1 C63.2 C64.2 C65.2 C66.2 C67.2 C68.1 C69.1 C70.1 C71.1 C72.1 C73.1 C74.1 C75.1 C76.1 C77.2 C78.2 C79.2 C80.2 C81.2 C82.2 C83.2 C84.2 C85.2 C86.2 C87.2 C88.2 C89.2 C90.2 C91.2 C92.2 C94.2 C95.1 C96.1 C97.2 C98.2 C99.2 C100.2 C101.2 C102.2 C103.2 C104.2 C105.2 C106.2 C107.2 C108.2 C109.2 C110.2 C111.2 C112.2 C113.2 C114.2 C115.2 C116.2 C117.2 C118.1 C119.2 C120.2 C121.2 C122.1 C123.2 C124.2 C125.2 C126.1 C127.2 C128.2 C129.2 C130.2 C152.2 C153.2 C154.2 C155.1 C158.2 C159.2 C167.2 C168.1 C169.1 C170.1 C173.2 C174.2 C175.1 C176.1 C177.1 C178.1 C179.1 C180.1 C181.2 C182.2 C183.2 C184.2 C185.2 C186.1 C187.2 C188.2 C189.2 C190.2 C191.2 C192.2 C193.2 C194.2 C195.2 C196.2 C197.2 C198.2 C199.2 C202.2 C203.2 C204.2 C205.2 D9.2 D10.2 D11.2 D12.1 D13.1 D14.1 D15.2 D16.2 D17.2 D18.1 D19.1 D20.1 D21.1 D22.1 D23.1 D24.1 FB3.2 J1.1 J4.4 J5.4 J6.2(SHIELD1) J6.3(SHIELD2) J7.2(SHIELD1) J7.3(SHIELD2) J8.A4(GND_T) J8.B4(GND_B) J8.S1 J8.S2 J8.S3 J8.S4 J9.A4(GND_T) J9.B4(GND_B) J9.S1 J9.S2 J9.S3 J9.S4 L7.1 L8.1 L9.1 L10.1 L21.1 L22.1 OSC1.2(GND) P2.4(TDIS) P2.8(GND1) P2.10(GND2) P2.12(GND3) P2.16(GND4) P2.20(GND5) P4.5(G1) P4.6(G3) P4.7(G2) P4.8(G5) P4.9(G4) P8.1 P8.2(26) P9.1 P9.2(26) P9.43(22) P9.44(47) P9.45(23) P9.46(48) P10.6(VSS) P10.9(GND) P10.11(GND3) P10.12(GND4) P10.13(GND5) P10.14(GND6) P10.15(GND7) P10.16(GND8) Q1.1(4) Q1.4 Q2.1(4) Q2.4 Q3.2(SOURCE) Q4.2(SOURCE) R12.1 R22.1 R25.2 R29.1 R30.1 R49.1 R54.1 R76.2 R77.2 R78.2 R79.2 R80.2 R81.2 R82.2 R83.2 R84.2 R85.2 R86.2 R87.2 R88.2 R89.2 R90.2 R91.2 R92.2 R93.2 R94.2 R95.2 R96.1 R99.2 R100.2 R164.2 R165.2 R170.2 R189.2 R190.2 R197.2 R209.2 R210.2 R215.2 R217.2 R218.2 R221.1 R222.1 R226.1 R228.1 S1.1(A1) S1.3(A2) S2.2(B1) S2.4(B2) S3.1(A1) S3.3(A2) TP1.1(TP) TP8.1(TP) U2.30(PGND) U2.41(AGND) U2.49(PPAD) U3.3(GND) U5.A1(VSS1) U5.A18(VSS2) U5.F8(VSS3) U5.G8(VSS4) U5.G9(VSS5) U5.G11(VSS6) U5.G12(VSS7) U5.H6(VSS8) U5.H7(VSS9) U5.H8(VSS10) U5.H9(VSS11) U5.H10(VSS12) U5.H12(VSS13) U5.J6(VSS14) U5.J7(VSS15) U5.J8(VSS16) U5.J9(VSS17) U5.J10(VSS18) U5.J11(VSS19) U5.K7(VSS20) U5.K9(VSS21) U5.K10(VSS22) U5.K11(VSS23) U5.L10(VSS24) U5.L11(VSS25) U5.L12(VSS26) U5.L13(VSS27) U5.M6(VSS28) U5.M7(VSS29) U5.M8(VSS30) U5.M9(VSS31) U5.M10(VSS32) U5.M12(VSS33) U5.M14(VSSA_USB2) U5.N7(VSS34) U5.N10(VSS35) U5.N11(VSS36) U5.N14(VSSA_USB1) U5.V1(VSS37) U5.V18(VSS38) U7.2(VSS) U12.A9(VSS1) U12.B1(VSSQ1) U12.B3(VSS2) U12.B9(VSSQ2) U12.D1(VSSQ3) U12.D8(VSSQ4) U12.E1(VSS3) U12.E2(VSSQ5) U12.E8(VSSQ6) U12.F9(VSSQ7) U12.G1(VSSQ8) U12.G8(VSS4) U12.G9(VSSQ9) U12.J2(VSS5) U12.J8(VSS6) U12.M1(VSS7) U12.M9(VSS8) U12.P1(VSS9) U12.P9(VSS10) U12.T1(VSS11) U12.T9(VSS12) U13.C4(VSSQ4) U13.E7(VSS2) U13.G5(VSS1) U13.H10(VSS3) U13.K8(VSS4) U13.N2(VSSQ1) U13.N5(VSS5) U13.P4(VSSQ3) U13.P6(VSSQ2) U15.1(1\O\E\) U15.4(GND) U16.3(GND) U18.1(GND#1) U18.7(GND#7) U18.9(GND#9) U18.15(GND#15) U18.16(GND#16) U18.17(GND#17) U18.19(GND#19) U18.20(GND#20) U18.23(GND#23) U18.24(GND#24) U18.28(GND#28) U18.29(GND#29) U18.30(GND#30) U18.31(GND#31) U18.33(GND#33) U18.34(GND#34) U18.35(GND#35) U18.37(GND#37) U18.39(GND#39) U18.44(GND#44) U18.45(GND#45) U18.48(GND#48) U18.49(GND#49) U18.54(GND#54) U18.55(GND#55) U18.59(GND#59) U18.61(GND#61) U18.63(GND#63) U18.64(GND#64) U18.G1(GND#G1) U18.G2(GND#G2) U18.G3(GND#G3) U18.G4(GND#G4) U18.G5(GND#G5) U18.G6(GND#G6) U18.G7(GND#G7) U18.G8(GND#G8) U18.G9(GND#G9) U18.G10(GND#G10) U18.G11(GND#G11) U18.G12(GND#G12) U18.G13(GND#G13) U18.G14(GND#G14) U18.G15(GND#G15) U18.G16(GND#G16) U18.G17(GND#G17) U18.G18(GND#G18) U18.G19(GND#G19) U18.G20(GND#G20) U18.G21(GND#G21) U18.G22(GND#G22) U18.G23(GND#G23) U18.G24(GND#G24) U18.G25(GND#G25) U18.G26(GND#G26) U18.G27(GND#G27) U18.G28(GND#G28) U18.G29(GND#G29) U18.G30(GND#G30) U18.G31(GND#G31) U18.G32(GND#G32) U18.G33(GND#G33) U18.G34(GND#G34) U18.G35(GND#G35) U18.G36(GND#G36) U19.1(AGND) U19.3(PGND) U19.6(MODE) U19.9(GPAD) U20.1(AGND) U20.3(PGND) U20.6(MODE) U20.9(GPAD) U21.11(GND) U21.21(GPAD) U22.11(GND) U22.21(GPAD) U23.29(PAD) U24.5(GND) U24.7(PAD) Y4.2(GND) Y5.2 Y5.4
GND_EARTH: MTG1.1(TP) MTG3.1(TP) MTG4.1(TP)
GND_OSC0: C25.2 C26.2 R29.2 R173.2 R174.2 U5.V11(VSS_OSC0) U17.4(GND)
GND_OSC1: C21.1 C22.1 R30.2 U5.A5(VSS_RTC)
GNDA_ADC: C31.2 C32.2 C33.2 C93.2 FB3.1 P9.34(42) U5.A9(VREFN) U5.E8(VSSA_ADC)
VDD_1V8: C14.2 C78.1 C86.1 C88.1 FB1.1 FB2.2 R9.2 U2.40(LDO3) U5.D10(VDDS_SRAM_MPU_BB) U5.E9(VDDS_SRAM_CORE_BG) U5.N16(VDDA1P8V_USB0) U5.R16(VDDA1P8V_USB1)
VDD_1V8_WIFI: C168.2 C173.1 C174.1 C178.2 L4.2 L11.2 R191.1 R192.1 R193.1 R194.1 R195.1 R196.1 R214.1 R233.1 U18.38(VIO) U21.2(VCCA) U22.2(VCCA)
VDD_3V3_WIFI: C169.2 C170.2 C175.2 C176.2 L14.2 R229.1 R230.1 U18.46(VBAT#46) U18.47(VBAT#47) U21.19(VCCB) U22.19(VCCB)
VDD_3V3A: C15.2 C37.1 C38.1 C56.2 C57.2 C58.1 C59.1 C60.2 C61.2 C66.1 C67.1 C68.2 C69.2 C70.2 C71.2 C72.2 C73.2 C74.2 C75.2 C76.2 C77.1 C87.1 C152.1 C158.1 C159.1 R1.1 R3.1 R4.1 R14.1 R55.1 R56.1 R57.1 R58.1 R59.1 R60.1 R61.1 R62.1 R63.1 R64.1 R65.1 R66.1 R67.1 R68.1 R69.1 R70.1 R156.1 R169.2 R171.1 R172.1 R175.1 R223.2 U2.43(LDO4) U3.5(VCC) U5.E10(VDDSHV61) U5.E11(VDDSHV62) U5.E12(VDDSHV63) U5.E13(VDDSHV64) U5.F14(VDDSHV65) U5.G14(VDDSHV66) U5.H14(VDDSHV41) U5.J14(VDDSHV42) U5.K14(VDDSHV51) U5.L14(VDDSHV52) U5.N5(VDDSHV67) U5.N15(VDDA3P3V_USB0) U5.P5(VDDSHV68) U5.P6(VDDSHV69) U5.P7(VDDSHV11) U5.P8(VDDSHV12) U5.P10(VDDSHV21) U5.P11(VDDSHV22) U5.P12(VDDSHV31) U5.P13(VDDSHV32) U5.R15(VDDA3P3V_USB1) U7.4(VCC) U17.8(VDD) U20.5(EN) Y4.4(VCC)
VDD_3V3AUX: C18.1 D1.2(A) U2.1(VLDO2)
VDD_3V3B: C29.1 C126.2 C127.1 C128.1 C129.1 C130.1 C153.1 C154.1 C155.2 C179.2 L12.2 L14.1 P2.5(TVDD) P9.3(2) P9.4(27) P10.4(VDD) R23.1 R24.1 R101.1 R102.1 R103.1 R104.1 R105.1 R106.1 R107.1 R108.1 R109.1 R110.1 R111.1 R150.1 R151.1 R152.1 R153.1 R154.1 R155.1 R157.2 R163.1 R216.1 R231.2 R232.2 U13.C6(VCCQ4) U13.E6(VCC3) U13.F5(VCC2) U13.J10(VCC0) U13.K9(VCC1) U13.M4(VCCQ5) U13.N4(VCCQ3) U13.P3(VCCQ1) U13.P5(VCCQ2) U15.7(2OE) U15.8(VCC)
VDD_5V: C2.2 P9.5(3) P9.6(28) R168.2 U2.10(AC)
VDD_ADC: C93.1 FB2.1 P9.32(41) R27.1 U5.D8(VDDA_ADC)
VDD_CORE: C11.2 C39.2 C40.2 C41.1 C42.1 C43.1 C44.1 C45.1 C46.1 C47.1 C48.1 C49.1 C50.1 C51.1 C52.1 C53.1 C54.1 C55.2 L3.2 U2.29(VDCDC3) U5.F6(VDD_CORE1) U5.F7(VDD_CORE2) U5.G6(VDD_CORE3) U5.G7(VDD_CORE4) U5.G10(VDD_CORE5) U5.H11(VDD_CORE6) U5.J12(VDD_CORE7) U5.K6(VDD_CORE8) U5.K8(VDD_CORE9) U5.K12(VDD_CORE10) U5.L6(VDD_CORE11) U5.L7(VDD_CORE12) U5.L8(VDD_CORE13) U5.L9(VDD_CORE14) U5.M11(VDD_CORE15) U5.M13(VDD_CORE16) U5.N8(VDD_CORE17) U5.N9(VDD_CORE18) U5.N12(VDD_CORE19) U5.N13(VDD_CORE20)
VDD_MPU: C12.2 C62.2 C63.1 C64.1 C65.1 L2.2 U2.24(VDCDC2) U5.F10(VDD_MPU1) U5.F11(VDD_MPU2) U5.F12(VDD_MPU3) U5.F13(VDD_MPU4) U5.G13(VDD_MPU5) U5.H13(VDD_MPU6) U5.J13(VDD_MPU7)
VDD_MPUON: TP2.1(TP) U5.A2(VDD_MPU_MON)
VDD_PLL: C79.1 C92.1 C94.1 C106.1 FB1.2 U5.E7(VDDS_PLL_DDR) U5.H15(VDDS_PLL_MPU) U5.R10(VDDS_PLL_CORE_LCD) U5.R11(VDDS_OSC)
VDD_RTC: C104.1 U5.D6(CAP_VDD_RTC)
VDDS: C80.1 C81.1 C82.1 C83.1 C84.1 C85.1 R8.2 R9.1 U5.E6(VDDS1) U5.E14(VDDS2) U5.F9(VDDS3) U5.K13(VDDS4) U5.N6(VDDS5) U5.P9(VDDS6) U5.P14(VDDS7)
VDDS_DDR: C9.2 C95.2 C96.2 C97.1 C98.1 C99.1 C100.1 C101.1 C102.1 C103.1 C107.1 C108.1 C109.1 C110.1 C111.1 C112.1 C113.1 C114.1 C115.1 C116.1 C117.1 C118.2 C119.1 C120.1 C121.1 C122.2 R6.2 R97.1 R98.1 U5.E5(VDDS_DDR1) U5.F5(VDDS_DDR2) U5.G5(VDDS_DDR3) U5.H5(VDDS_DDR4) U5.J5(VDDS_DDR5) U5.K5(VDDS_DDR6) U5.L5(VDDS_DDR7) U12.A1(VDDQ1) U12.A8(VDDQ2) U12.B2(VDD1) U12.C1(VDDQ3) U12.C9(VDDQ4) U12.D2(VDDQ5) U12.D9(VDD9) U12.E9(VDDQ7) U12.F1(VDDQ8) U12.G7(VDD2) U12.H2(VDDQ9) U12.H9(VDDQ10) U12.K2(VDD4) U12.K8(VDD5) U12.N1(VDD6) U12.N9(VDD7) U12.R1(VDD8) U12.R9(VDD3)
AIN0: P9.39(20) U5.B6(AIN0)
AIN1: P9.40(45) U5.C7(AIN1)
AIN2: P9.37(19) U5.B7(AIN2)
AIN3: P9.38(44) U5.A7(AIN3)
AIN4: P9.33(17) U5.C8(AIN4)
AIN5: P9.36(43) U5.B8(AIN5)
AIN6: P9.35(18) U5.A8(AIN6)
AIN7: R163.2 R164.1 U5.C9(AIN7)
B_UART0_RX: J1.4 R165.1 U15.2(1A)
B_UART0_TX: J1.5 U15.3(2Y)
BT_AUD_CLK: TP13.1(TP) U18.60(BT_AUD_CLK) U21.1(A1)
BT_AUD_FSYNC: TP12.1(TP) U18.58(BT_AUD_FSYNC) U21.3(A2)
BT_AUD_IN: TP10.1(TP) U18.56(BT_AUD_IN) U21.5(A4)
BT_AUD_OUT: TP11.1(TP) U18.57(BT_AUD_OUT) U21.4(A3)
BT_EN: Q3.1(GATE) R188.1 U18.41(BT_EN_SOC)
BT_HCI_CTS: R184.1 U21.8(A7)
BT_HCI_RTS: R183.1 U21.9(A8)
BT_HCI_RX: R186.1 U21.6(A5)
BT_HCI_TX: R185.1 U21.7(A6)
CAP_VBB_MPU: C91.1 U5.C10(CAP_VBB_MPU)
CAP_VDD_SRAM_CORE: C89.1 U5.D9(CAP_VDD_SRAM_CORE)
